# Altium PCB relay_matrix.PcbDoc (part 2 of 5)
Units mm, origin at the board's own origin, x right, y up, seen from the top; angles counter-clockwise.
Board outline 330 x 220 mm, 2 copper layers (Top Layer, Bottom Layer); 560 components, 391 nets, 2127 pads, 727 vias.
Unrouted connection lines stored in the file: 345.
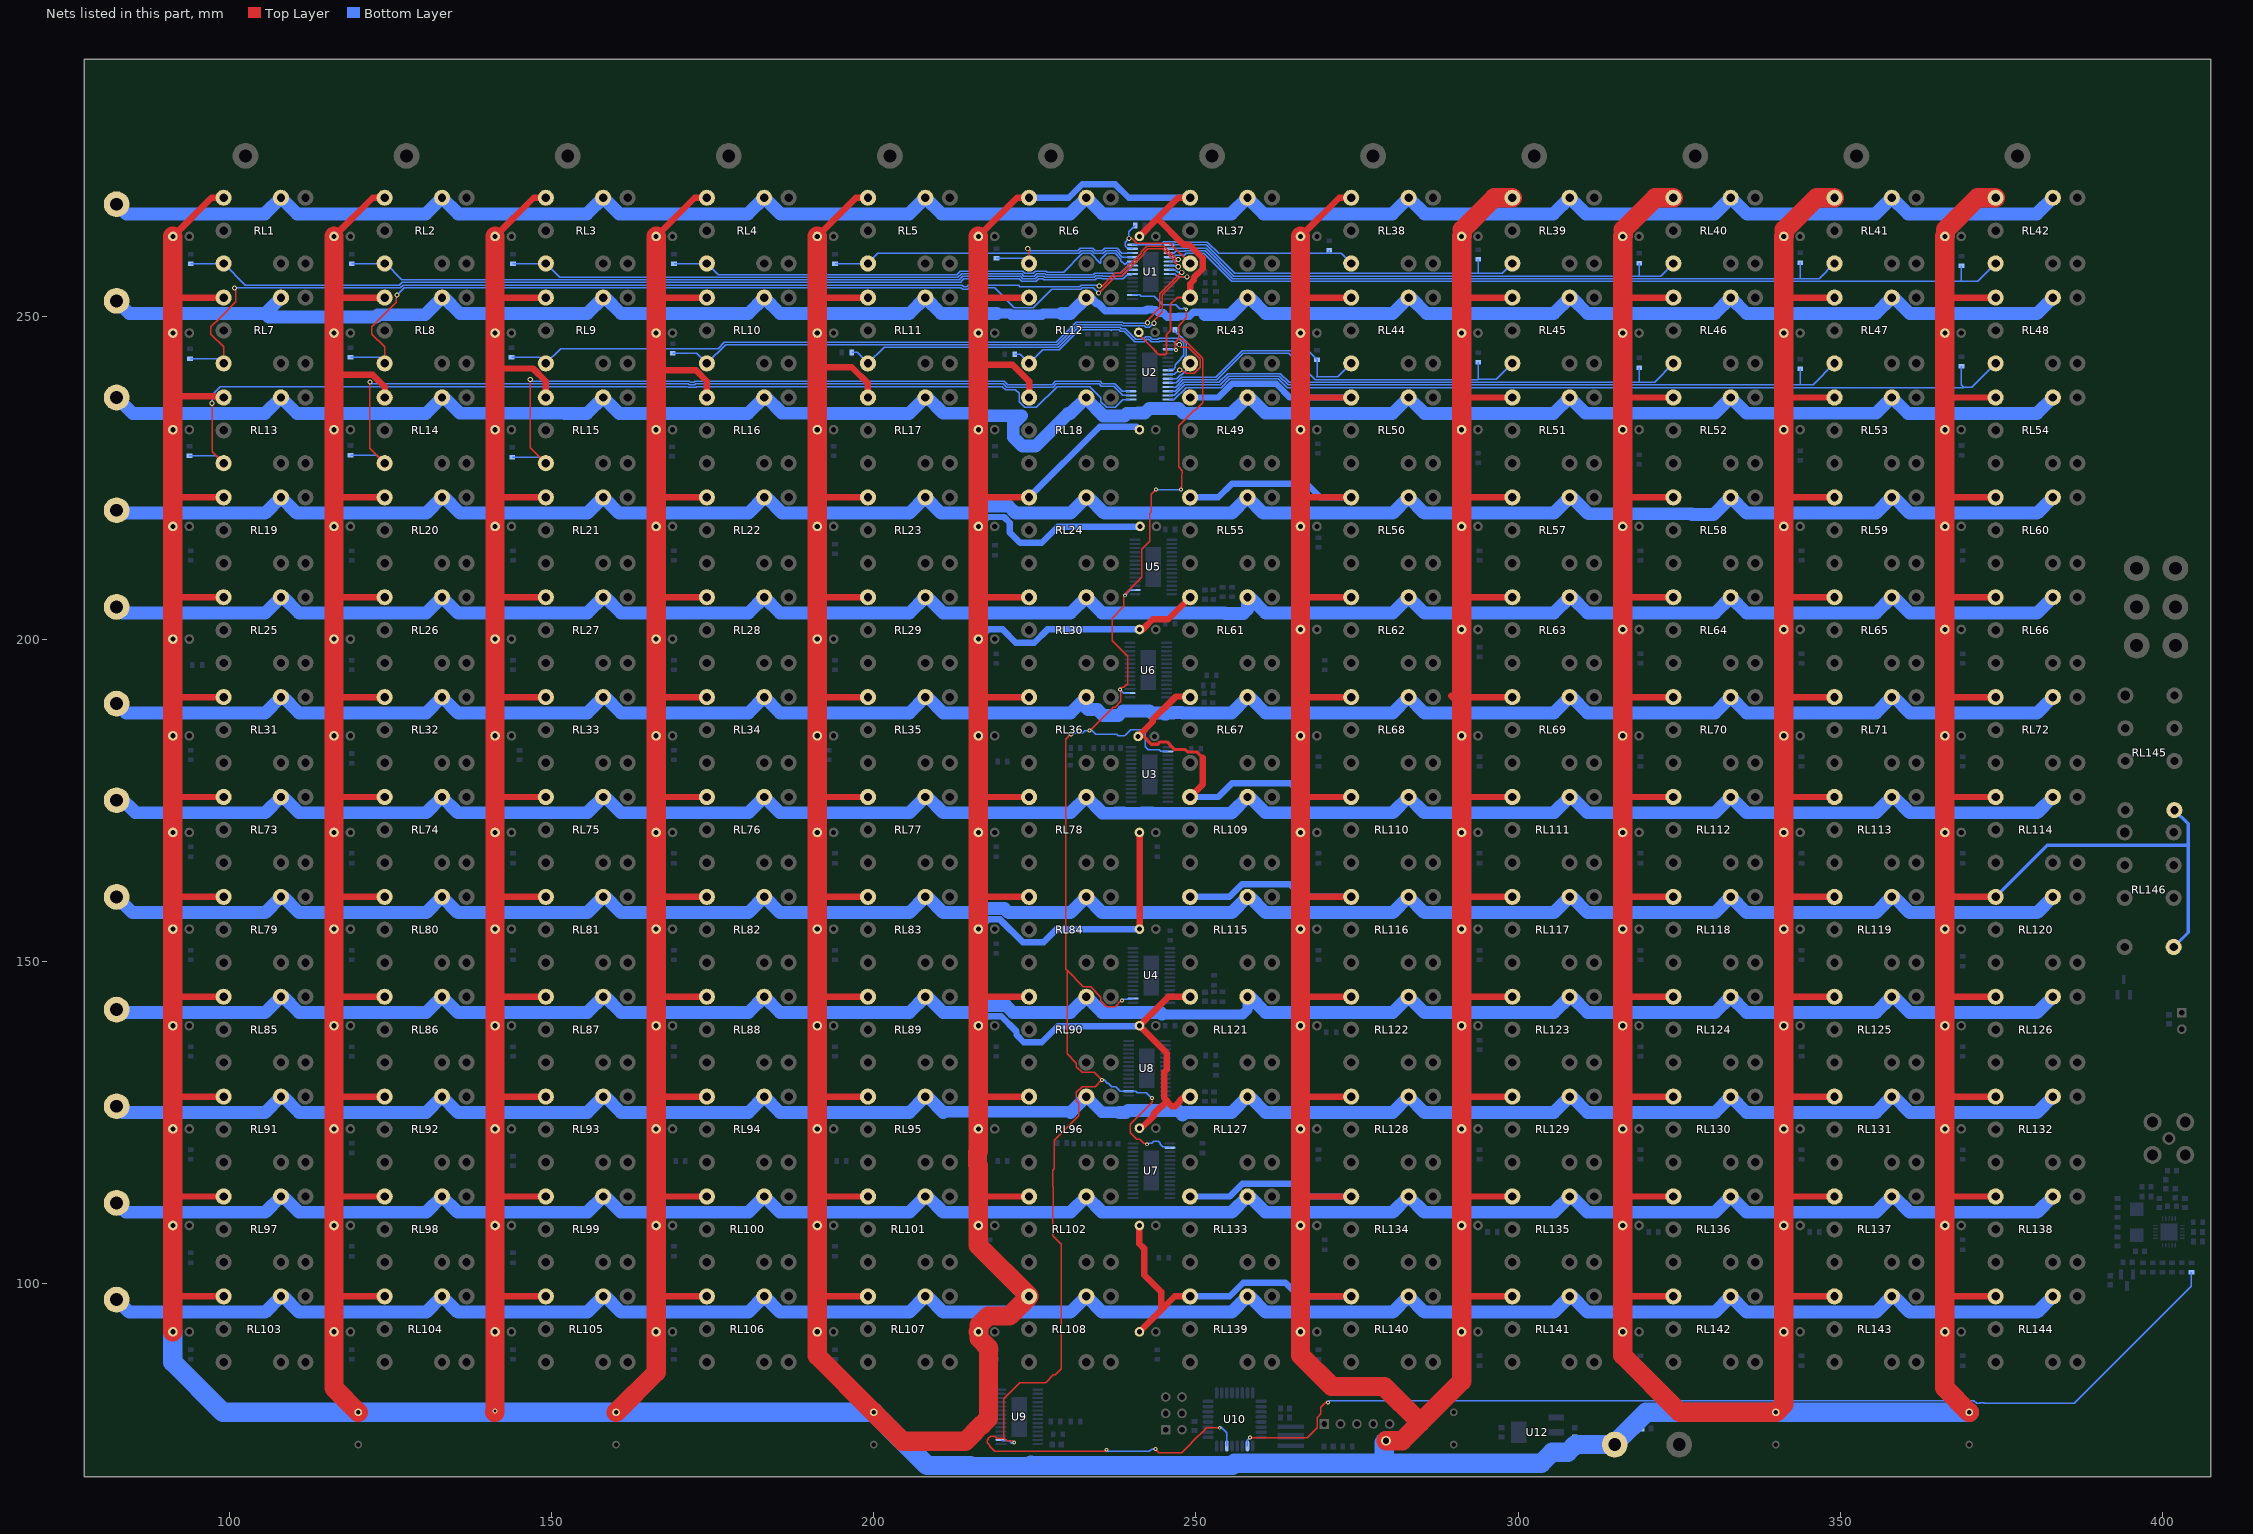
[diagram p2: the nets of this part, all layers, seen from the top]

## Via types
v1: diameter 0.8, hole 0.5, Top Layer to Bottom Layer, tented both sides, 222 vias
v2: diameter 0.8, hole 0.5, Top Layer to Bottom Layer, 209 vias
v3: diameter 0.6, hole 0.3, Top Layer to Bottom Layer, 179 vias
v4: diameter 0.5, hole 0.3, Top Layer to Bottom Layer, 108 vias
v5: diameter 7, hole 5, Top Layer to Bottom Layer, 6 vias
v6: diameter 1.5, hole 1, Top Layer to Bottom Layer, 3 vias

## Nets (pads, with @x,y where several pads share a name; then routed paths per layer and width w, separated by ;. In a path a pad name is that pad's centre, name@x,y a point inside that pad or via, vN(x,y) a via of type N, cw(c..) or ccw(c..) an arc to the next point about the centre after c; other vN are vias at no path point) (continued)
12V: C5.1 C10.1 C12.1 C13.1 C14.1 C15.1 C24.1 D1.1 D2.1 D3.1 D4.1 D5.1 D6.1 D7.1 D8.1 D9.1 D10.1 D11.1 D12.1 D13.1 D14.1 D15.1 D16.1 D17.1 D18.1 D19.1 D20.1 D21.1 D22.1 D23.1 D24.1 D25.1 D26.1 D27.1 D28.1 D29.1 D30.1 D31.1 D32.1 D33.1 D34.1 D35.1 D36.1 D37.1 D38.1 D39.1 D40.1 D41.1 D42.1 D43.1 D44.1 D45.1 D46.1 D47.1 D48.1 D49.1 D50.1 D51.1 D52.1 D53.1 D54.1 D55.1 D56.1 D57.1 D58.1 D59.1 D60.1 D61.1 D62.1 D63.1 D64.1 D65.1 D66.1 D67.1 D68.1 D69.1 D70.1 D71.1 D72.1 D73.1 D74.1 D75.1 D76.1 D77.1 D78.1 D79.1 D80.1 D81.1 D82.1 D83.1 D84.1 D85.1 D86.1 D87.1 D88.1 D89.1 D90.1 D91.1 D92.1 D93.1 D94.1 D95.1 D96.1 D97.1 D98.1 D99.1 D100.1 D101.1 D102.1 D103.1 D104.1 D105.1 D106.1 D107.1 D108.1 D109.1 D110.1 D111.1 D112.1 D113.1 D114.1 D115.1 D116.1 D117.1 D118.1 D119.1 D120.1 D121.1 D122.1 D123.1 D124.1 D125.1 D126.1 D127.1 D128.1 D129.1 D130.1 D131.1 D132.1 D133.1 D134.1 D135.1 D136.1 D137.1 D138.1 D139.1 D140.1 D141.1 D142.1 D143.1 D144.1 J25.1 RL1.1 RL2.1 RL3.1 RL4.1 RL5.1 RL6.1 RL7.1 RL8.1 RL9.1 RL10.1 RL11.1 RL12.1 RL13.1 RL14.1 RL15.1 RL16.1 RL17.1 RL18.1 RL19.1 RL20.1 RL21.1 RL22.1 RL23.1 RL24.1 RL25.1 RL26.1 RL27.1 RL28.1 RL29.1 RL30.1 RL31.1 RL32.1 RL33.1 RL34.1 RL35.1 RL36.1 RL37.1 RL38.1 RL39.1 RL40.1 RL41.1 RL42.1 RL43.1 RL44.1 RL45.1 RL46.1 RL47.1 RL48.1 RL49.1 RL50.1 RL51.1 RL52.1 RL53.1 RL54.1 RL55.1 RL56.1 RL57.1 RL58.1 RL59.1 RL60.1 RL61.1 RL62.1 RL63.1 RL64.1 RL65.1 RL66.1 RL67.1 RL68.1 RL69.1 RL70.1 RL71.1 RL72.1 RL73.1 RL74.1 RL75.1 RL76.1 RL77.1 RL78.1 RL79.1 RL80.1 RL81.1 RL82.1 RL83.1 RL84.1 RL85.1 RL86.1 RL87.1 RL88.1 RL89.1 RL90.1 RL91.1 RL92.1 RL93.1 RL94.1 RL95.1 RL96.1 RL97.1 RL98.1 RL99.1 RL100.1 RL101.1 RL102.1 RL103.1 RL104.1 RL105.1 RL106.1 RL107.1 RL108.1 RL109.1 RL110.1 RL111.1 RL112.1 RL113.1 RL114.1 RL115.1 RL116.1 RL117.1 RL118.1 RL119.1 RL120.1 RL121.1 RL122.1 RL123.1 RL124.1 RL125.1 RL126.1 RL127.1 RL128.1 RL129.1 RL130.1 RL131.1 RL132.1 RL133.1 RL134.1 RL135.1 RL136.1 RL137.1 RL138.1 RL139.1 RL140.1 RL141.1 RL142.1 RL143.1 RL144.1 RL145.1 RL146.1 U12.3 | length 4009.2
  Top Layer w0.3: D43.1@241.13,247.6 241.13,247.35 243.48,245 ; 243.83,244.65 243.48,245 ; RL43.1@249.1,253 247.1,253 246.05,251.95 246.05,247.886 245.45,247.286 245.45,244.35 245.258,244.158 244.258,244.158 243.48,244.937 243.48,245
  Top Layer w0.5: D67.1@241.03,184.9 241.873,184.9 243.073,183.7 244.067,183.7 244.417,184.05 245.516,184.05 245.983,183.583 ; 245.983,183.45 246.116,183.45 246.716,182.85 248.372,182.85 248.721,182.5 250.158,182.5 251.05,181.608
  Top Layer w1: 91.23,97.9 91.33,98 RL103.1@99.1,98 ; 91.23,113.7 91.43,113.5 RL97.1@99.1,113.5 ; 91.23,129 RL91.1@99.1,129 ; 91.23,144 91.73,144.5 RL85.1@99.1,144.5 ; 91.23,160 RL79.1@99.1,160 ; 91.23,175.8 91.53,175.5 RL73.1@99.1,175.5 ; 91.23,191.2 91.43,191 RL31.1@99.1,191 ; 91.23,206.4 91.33,206.5 RL25.1@99.1,206.5 ; 91.23,221.7 91.53,222 RL19.1@99.1,222 ; 91.23,237.3 91.63,237.7 97.755,237.7 97.955,237.5 RL13.1@99.1,237.5 ; 91.23,252.7 91.53,253 RL7.1@99.1,253 ; D1.1@91.23,262.5 97.23,268.5 RL1.1@99.1,268.5 ; 116.23,97.4 116.83,98 RL104.1@124.1,98 ; 116.23,112.7 117.03,113.5 RL98.1@124.1,113.5 ; 116.23,128.8 116.43,129 RL92.1@124.1,129 ; 116.23,144.5 RL86.1@124.1,144.5 ; 116.23,160 RL80.1@124.1,160 ; 116.23,175.2 116.53,175.5 RL74.1@124.1,175.5 ; 116.23,190.9 116.33,191 RL32.1@124.1,191 ; 116.23,205.8 116.93,206.5 RL26.1@124.1,206.5 ; 116.23,222.2 116.43,222 RL20.1@124.1,222 ; 116.23,240.8 116.43,241 122.256,241 124.1,239.156 RL14.1@124.1,237.5 ; 116.23,253 RL8.1@124.1,253 ; D2.1@116.23,262.5 122.23,268.5 RL2.1@124.1,268.5 ; 141.23,98.1 141.33,98 RL105.1@149.1,98 ; 141.23,113.3 141.43,113.5 RL99.1@149.1,113.5 ; 141.23,130.1 142.33,129 RL93.1@149.1,129 ; 141.23,144.5 RL87.1@149.1,144.5 ; 141.23,159.8 141.43,160 RL81.1@149.1,160 ; 141.23,175.1 141.63,175.5 RL75.1@149.1,175.5 ; 141.23,190.8 141.43,191 RL33.1@149.1,191 ; 141.23,205.3 142.43,206.5 RL27.1@149.1,206.5 ; 141.23,221.9 141.33,222 RL21.1@149.1,222 ; 141.23,242 147.1,242 149.1,240 RL15.1@149.1,237.5 ; 141.23,252.8 141.43,253 RL9.1@149.1,253 ; D3.1@141.23,262.5 147.23,268.5 RL3.1@149.1,268.5 ; 166.23,97.3 166.93,98 RL106.1@174.1,98 ; 166.23,113.8 166.53,113.5 RL100.1@174.1,113.5 ; 166.23,129.3 166.53,129 RL94.1@174.1,129 ; 166.23,144.3 166.43,144.5 RL88.1@174.1,144.5 ; 166.23,159.5 166.73,160 RL82.1@174.1,160 ; 166.23,175.2 166.53,175.5 RL76.1@174.1,175.5 ; 166.23,191 RL34.1@174.1,191 ; 166.23,206.8 166.53,206.5 RL28.1@174.1,206.5 ; 166.23,221.7 166.53,222 RL22.1@174.1,222 ; 166.23,241.7 166.251,241.721 172.421,241.721 174.1,240.042 RL16.1@174.1,237.5 ; 166.23,252.8 166.43,253 RL10.1@174.1,253 ; D4.1@166.23,262.5 172.23,268.5 RL4.1@174.1,268.5 ; 191.23,98.1 191.33,98 RL107.1@199.1,98 ; 191.23,113.5 RL101.1@199.1,113.5 ; 191.23,128.8 191.43,129 RL95.1@199.1,129 ; 191.23,144.5 RL89.1@199.1,144.5 ; 191.23,159.8 191.43,160 RL83.1@199.1,160 ; 191.23,175.4 191.33,175.5 RL77.1@199.1,175.5 ; 191.23,191.8 192.03,191 RL35.1@199.1,191 ; 191.23,206.3 191.43,206.5 RL29.1@199.1,206.5 ; 191.23,222.2 191.43,222 RL23.1@199.1,222 ; 191.23,242.2 196.6,242.2 199.1,239.7 RL17.1@199.1,237.5 ; 191.23,252.7 191.53,253 RL11.1@199.1,253 ; D5.1@191.23,262.5 197.23,268.5 RL5.1@199.1,268.5 ; 216.23,113.1 216.63,113.5 RL102.1@224.1,113.5 ; 216.23,128.9 216.33,129 RL96.1@224.1,129 ; 216.23,144.7 216.43,144.5 RL90.1@224.1,144.5 ; 216.23,160 RL84.1@224.1,160 ; 216.23,174.9 216.83,175.5 RL78.1@224.1,175.5 ; 216.23,191.5 216.73,191 RL36.1@224.1,191 ; 216.23,206.5 RL30.1@224.1,206.5 ; 216.23,222.2 216.43,222 RL24.1@224.1,222 ; 216.23,242.5 216.33,242.6 221.542,242.6 224.1,240.042 RL18.1@224.1,237.5 ; 216.23,253.5 216.73,253 RL12.1@224.1,253 ; D6.1@216.23,262.5 222.23,268.5 RL6.1@224.1,268.5 ; D67.1@241.03,184.9 243.3,187.169 243.3,187.528 245.072,189.3 245.116,189.3 246.916,191.1 249,191.1 RL67.1@249.1,191 ; D139.1@241.23,92.5 244.615,95.885 ; D133.1@241.23,109 241.2,108.97 241.2,108.456 241.2,107.544 241.2,106.183 241.95,105.433 241.95,101.35 244.615,98.685 244.615,95.885 ; D127.1@241.23,124 241.442,124 243.486,126.043 243.486,126.371 244.514,127.4 244.614,127.5 244.73,127.5 245.465,128.235 ; D115.1@241.23,155 241.25,155.02 241.25,169.98 D109.1@241.23,170 ; D61.1@241.23,201.5 241.719,201.5 243.319,203.1 245.7,203.1 RL61.1@249.1,206.5 ; D37.1@241.23,262.5 243.965,265.235 ; RL139.1@249.1,98 246.73,98 244.615,95.885 ; RL127.1@249.1,129 248.114,129 247.5,128.386 247.5,128.24 246.76,127.5 246.269,127.5 245.534,128.235 245.465,128.235 ; RL121.1@249.1,144.5 245.73,144.5 D121.1@241.23,140 245.465,135.765 245.465,133.19 245.059,132.784 245.059,128.856 245.465,128.449 245.465,128.235 ; RL109.1@249.1,175.5 251.05,177.45 251.05,181.608 ; RL43.1@249.1,253 249.1,255.168 249.7,255.768 249.7,256.142 251.05,257.492 251.05,259.108 248.958,261.2 248.189,261.2 248.089,261.3 248,261.3 244.065,265.235 243.965,265.235 ; RL37.1@249.1,268.5 247.23,268.5 243.965,265.235 ; 266.23,97.9 266.33,98 RL140.1@274.1,98 ; 266.23,113.3 266.43,113.5 RL134.1@274.1,113.5 ; 266.23,129.1 266.33,129 RL128.1@274.1,129 ; 266.23,144.5 RL122.1@274.1,144.5 ; 266.23,159.6 266.63,160 RL116.1@274.1,160 ; 266.23,176.1 266.83,175.5 RL110.1@274.1,175.5 ; 266.23,190.6 266.63,191 RL68.1@274.1,191 ; 266.23,206.5 RL62.1@274.1,206.5 ; 266.23,222.2 266.43,222 RL56.1@274.1,222 ; 266.23,238.2 266.93,237.5 RL50.1@274.1,237.5 ; 266.23,253 RL44.1@274.1,253 ; D38.1@266.23,262.5 272.23,268.5 RL38.1@274.1,268.5 ; 291.23,97.7 291.53,98 RL141.1@299.1,98 ; 291.23,112.5 292.23,113.5 RL135.1@299.1,113.5 ; 291.23,128.4 291.83,129 RL129.1@299.1,129 ; 291.23,145.4 292.13,144.5 RL123.1@299.1,144.5 ; 291.23,160.4 291.63,160 RL117.1@299.1,160 ; 291.23,175.7 291.43,175.5 RL111.1@299.1,175.5 ; 291.23,190.8 291.03,191 ; 291.23,206.3 291.43,206.5 RL63.1@299.1,206.5 ; 291.23,221.5 291.73,222 RL57.1@299.1,222 ; 291.23,238.1 291.83,237.5 RL51.1@299.1,237.5 ; 291.23,253 RL45.1@299.1,253 ; RL69.1@299.1,191 291.23,191 291.03,191 ; 316.23,98.4 316.63,98 RL142.1@324.1,98 ; 316.23,113.7 316.43,113.5 RL136.1@324.1,113.5 ; 316.23,128.9 316.33,129 RL130.1@324.1,129 ; 316.23,144.6 316.33,144.5 RL124.1@324.1,144.5 ; 316.23,159.6 316.63,160 RL118.1@324.1,160 ; 316.23,175.5 RL112.1@324.1,175.5 ; 316.23,191.4 316.63,191 RL70.1@324.1,191 ; 316.23,206.3 316.43,206.5 RL64.1@324.1,206.5 ; 316.23,221.3 316.93,222 RL58.1@324.1,222 ; 316.23,238.5 317.23,237.5 RL52.1@324.1,237.5 ; 316.23,253.5 316.73,253 RL46.1@324.1,253 ; 341.23,98.4 341.63,98 RL143.1@349.1,98 ; 341.23,113.8 341.53,113.5 RL137.1@349.1,113.5 ; 341.23,129.1 341.33,129 RL131.1@349.1,129 ; 341.23,144.2 341.53,144.5 RL125.1@349.1,144.5 ; 341.23,159.3 341.93,160 RL119.1@349.1,160 ; 341.23,176 341.73,175.5 RL113.1@349.1,175.5 ; 341.23,190.6 341.63,191 RL71.1@349.1,191 ; 341.23,206.8 341.53,206.5 RL65.1@349.1,206.5 ; 341.23,222.3 341.53,222 RL59.1@349.1,222 ; 341.23,238.1 341.83,237.5 RL53.1@349.1,237.5 ; 341.23,253 RL47.1@349.1,253 ; 366.23,97.9 366.33,98 RL144.1@374.1,98 ; 366.23,113.3 366.43,113.5 RL138.1@374.1,113.5 ; 366.23,129.1 366.33,129 RL132.1@374.1,129 ; 366.23,145 366.73,144.5 RL126.1@374.1,144.5 ; 366.23,160.4 366.63,160 RL120.1@374.1,160 ; 366.23,175.7 366.43,175.5 RL114.1@374.1,175.5 ; 366.23,190.6 366.63,191 RL72.1@374.1,191 ; 366.23,207.3 367.03,206.5 RL66.1@374.1,206.5 ; 366.23,222.4 366.63,222 RL60.1@374.1,222 ; 366.23,237.7 366.43,237.5 RL54.1@374.1,237.5 ; 366.23,253.1 366.33,253 RL48.1@374.1,253 ; 291.03,191 289.8,191 289.6,191.2 290.83,191.2 291.03,191
  Top Layer w3: D103.1@91.23,92.5 91.23,97.9 D97.1@91.23,109 91.23,113.7 D91.1@91.23,124 91.23,129 D85.1@91.23,140 91.23,144 D79.1@91.23,155 91.23,160 D73.1@91.23,170 91.23,175.8 D31.1@91.23,185 91.23,191.2 D25.1@91.23,200 91.23,206.4 D19.1@91.23,217.5 91.23,221.7 D13.1@91.23,232.5 91.23,237.3 D7.1@91.23,247.5 91.23,252.7 D1.1@91.23,262.5 ; D2.1@116.23,262.5 116.23,253 D8.1@116.23,247.5 116.23,240.8 D14.1@116.23,232.5 116.23,222.2 D20.1@116.23,217.5 116.23,205.8 D26.1@116.23,200 116.23,190.9 D32.1@116.23,185 116.23,175.2 D74.1@116.23,170 116.23,160 D80.1@116.23,155 116.23,144.5 D86.1@116.23,140 116.23,128.8 D92.1@116.23,124 116.23,112.7 D98.1@116.23,109 116.23,97.4 D104.1@116.23,92.5 116.23,83.77 C10.1@120,80 ; v2@141.2,80 141.23,80.03 D105.1@141.23,92.5 141.23,98.1 D99.1@141.23,109 141.23,113.3 D93.1@141.23,124 141.23,130.1 D87.1@141.23,140 141.23,144.5 D81.1@141.23,155 141.23,159.8 D75.1@141.23,170 141.23,175.1 D33.1@141.23,185 141.23,190.8 D27.1@141.23,200 141.23,205.3 D21.1@141.23,217.5 141.23,221.9 D15.1@141.23,232.5 141.23,242 D9.1@141.23,247.5 141.23,252.8 D3.1@141.23,262.5 ; C12.1@160,80 166.23,86.23 D106.1@166.23,92.5 166.23,97.3 D100.1@166.23,109 166.23,113.8 D94.1@166.23,124 166.23,129.3 D88.1@166.23,140 166.23,144.3 D82.1@166.23,155 166.23,159.5 D76.1@166.23,170 166.23,175.2 D34.1@166.23,185 166.23,191 D28.1@166.23,200 166.23,206.8 D22.1@166.23,217.5 166.23,221.7 D16.1@166.23,232.5 166.23,241.7 D10.1@166.23,247.5 166.23,252.8 D4.1@166.23,262.5 ; 191.23,89.5 191.23,88.77 ; D5.1@191.23,262.5 191.23,252.7 D11.1@191.23,247.5 191.23,242.2 D17.1@191.23,232.5 191.23,222.2 D23.1@191.23,217.5 191.23,206.3 D29.1@191.23,200 191.23,191.8 D35.1@191.23,185 191.23,175.4 D77.1@191.23,170 191.23,159.8 D83.1@191.23,155 191.23,144.5 D89.1@191.23,140 191.23,128.8 D95.1@191.23,124 191.23,113.5 D101.1@191.23,109 191.23,98.1 D107.1@191.23,92.5 191.23,88.77 ; D6.1@216.23,262.5 216.23,253.5 D12.1@216.23,247.5 216.23,242.5 D18.1@216.23,232.5 216.23,222.2 D24.1@216.23,217.5 216.23,206.5 D30.1@216.23,200 216.23,191.5 D36.1@216.23,185 216.23,174.9 D78.1@216.23,170 216.23,160 D84.1@216.23,155 216.23,144.7 D90.1@216.23,140 216.23,128.9 D96.1@216.23,124 216.23,120.5 216.1,120.369 216.1,118.43 216.23,118.299 216.23,113.1 D102.1@216.23,109 216.23,105.916 224.1,98.046 RL108.1@224.1,98 221.05,94.95 217.755,94.95 216.32,93.515 216.32,92.59 D108.1@216.23,92.5 216.32,92.41 216.32,91.485 217.8,90.006 217.8,79.074 216.825,78.1 216.771,78.1 215.6,76.928 215.6,76.874 214.225,75.5 204.5,75.5 C13.1@200,80 191.23,88.77 ; D38.1@266.23,262.5 266.23,253 D44.1@266.23,247.5 266.23,238.2 D50.1@266.23,232.5 266.23,222.2 D56.1@266.23,217.5 266.23,206.5 D62.1@266.23,201.5 266.23,190.6 D68.1@266.23,185 266.23,176.1 D110.1@266.23,170 266.23,159.6 D116.1@266.23,155 266.23,144.5 D122.1@266.23,140 266.23,129.1 D128.1@266.23,124 266.23,113.3 D134.1@266.23,109 266.23,97.9 D140.1@266.23,92.5 266.23,88.87 271.1,84 279.2,84 284.8,78.4 ; v6(279.5,75.6) 282,75.6 284.8,78.4 ; RL39.1@299.1,268.5 296.305,268.5 291.32,263.515 291.32,262.59 D39.1@291.23,262.5 291.23,253 D45.1@291.23,247.5 291.23,238.1 D51.1@291.23,232.5 291.23,221.5 D57.1@291.23,217.5 291.23,206.3 D63.1@291.23,201.5 291.23,191 291.23,190.8 D69.1@291.23,185 291.23,175.7 D111.1@291.23,170 291.23,160.4 D117.1@291.23,155 291.23,145.4 D123.1@291.23,140 291.23,128.4 D129.1@291.23,124 291.23,112.5 D135.1@291.23,109 291.23,97.7 D141.1@291.23,92.5 291.23,84.83 284.8,78.4 ; RL40.1@324.1,268.5 321.305,268.5 316.32,263.515 316.32,262.59 D40.1@316.23,262.5 316.23,253.5 D46.1@316.23,247.5 316.23,238.5 D52.1@316.23,232.5 316.23,221.3 D58.1@316.23,217.5 316.23,206.3 D64.1@316.23,201.5 316.23,191.4 D70.1@316.23,185 316.23,175.5 D112.1@316.23,170 316.23,159.6 D118.1@316.23,155 316.23,144.6 D124.1@316.23,140 316.23,128.9 D130.1@316.23,124 316.23,113.7 D136.1@316.23,109 316.23,98.4 D142.1@316.23,92.5 316.23,88.87 325.1,80 C14.1@340,80 341.23,81.23 D143.1@341.23,92.5 341.23,98.4 D137.1@341.23,109 341.23,113.8 D131.1@341.23,124 341.23,129.1 D125.1@341.23,140 341.23,144.2 D119.1@341.23,155 341.23,159.3 D113.1@341.23,170 341.23,176 D71.1@341.23,185 341.23,190.6 D65.1@341.23,201.5 341.23,206.8 D59.1@341.23,217.5 341.23,222.3 D53.1@341.23,232.5 341.23,238.1 D47.1@341.23,247.5 341.23,253 D41.1@341.23,262.5 341.32,262.59 341.32,263.515 346.305,268.5 RL41.1@349.1,268.5 ; C15.1@370,80 366.23,83.77 D144.1@366.23,92.5 366.23,97.9 D138.1@366.23,109 366.23,113.3 D132.1@366.23,124 366.23,129.1 D126.1@366.23,140 366.23,145 D120.1@366.23,155 366.23,160.4 D114.1@366.23,170 366.23,175.7 D72.1@366.23,185 366.23,190.6 D66.1@366.23,201.5 366.23,207.3 D60.1@366.23,217.5 366.23,222.4 D54.1@366.23,232.5 366.23,237.7 D48.1@366.23,247.5 366.23,253.1 D42.1@366.23,262.5 366.32,262.59 366.32,263.515 371.305,268.5 RL42.1@374.1,268.5
  Bottom Layer w0.5: RL120.1@374.1,160 382.1,168 404,168 ; RL146.1@401.75,152.22 404,154.47 404,168 ; RL145.1@401.863,173.469 404,171.332 404,168
  Bottom Layer w1: D90.1@216.23,140 217.68,141.45 219.8,141.45 222.15,139.1 222.15,138.592 223.292,137.45 226.05,137.45 228.536,139.936 241.166,139.936 D121.1@241.23,140 ; D84.1@216.23,155 217.73,156.5 219.6,156.5 223.15,152.95 226.35,152.95 228.4,155 D115.1@241.23,155 ; D30.1@216.23,200 217.73,201.5 220,201.5 222.05,199.45 224.908,199.45 226.958,201.5 D61.1@241.23,201.5 ; D24.1@216.23,217.5 217.68,218.95 220.22,218.95 221.1,218.07 221.1,216.55 222.7,214.95 226.05,214.95 228.536,217.436 241.266,217.436 D55.1@241.33,217.5 ; RL24.1@224.1,222 235.05,232.95 240.78,232.95 D49.1@241.23,232.5 ; RL6.1@224.1,268.5 230.242,268.5 232.356,270.614 237.443,270.614 239.558,268.5 RL37.1@249.1,268.5 ; D67.1@241.03,184.9 241.23,185.1 D67.1@241.3,185.1 ; RL139.1@249.1,98 255.242,98 257.356,100.114 263.886,100.114 266,98 RL140.1@274.1,98 ; RL133.1@249.1,113.5 255.242,113.5 257.192,115.45 265.05,115.45 267,113.5 RL134.1@274.1,113.5 ; RL115.1@249.1,160 255.2,160 257.15,161.95 264.55,161.95 266.5,160 RL116.1@274.1,160 ; RL109.1@249.1,175.5 253.482,175.5 255.596,177.614 264.686,177.614 266.8,175.5 RL110.1@274.1,175.5 ; RL55.1@249.1,222 253.482,222 255.596,224.114 267.186,224.114 269.3,222 RL56.1@274.1,222 ; RL49.1@249.1,237.5 253.482,237.5 255.596,239.614 262.443,239.614 264.558,237.5 RL50.1@274.1,237.5
  Bottom Layer w2.8: 215,71.75 215.1,71.65 224.25,71.65 224.4,71.8
  Bottom Layer w3: D103.1@91.23,92.5 91.23,87.77 99,80 C10.1@120,80 C12.1@160,80 C13.1@200,80 208.25,71.75 215,71.75 ; 224.4,71.8 224.45,71.75 255.65,71.75 256,72.1 279.2,72.1 ; v6(279.5,75.6) 279.2,75.3 279.2,72.1 ; C15.1@370,80 C14.1@340,80 319.846,80 315,75.154 J25.1@315,75 308.9,75 307.7,73.8 305.3,73.8 303.6,72.1 279.2,72.1
  other v2: 141.23,80.2
AUDIO_0: J7.1 RL1.7 RL2.7 RL3.7 RL4.7 RL5.7 RL6.7 RL37.7 RL38.7 RL39.7 RL40.7 RL41.7 RL42.7 | length 324.9
  Bottom Layer w2: J7.1@82.5,267.5 84,266 105.5,266 RL1.7@108,268.5 110.5,266 130.5,266 RL2.7@133,268.5 135.5,266 155.5,266 RL3.7@158,268.5 160.5,266 180.5,266 RL4.7@183,268.5 185.5,266 205.5,266 RL5.7@208,268.5 210.5,266 230.5,266 RL6.7@233,268.5 235.5,266 255.5,266 RL37.7@258,268.5 260.5,266 280.5,266 RL38.7@283,268.5 285.5,266 305.5,266 RL39.7@308,268.5 310.5,266 330.5,266 RL40.7@333,268.5 335.5,266 355.5,266 RL41.7@358,268.5 360.5,266 380.5,266 RL42.7@383,268.5
AUDIO_1: J8.1 RL7.7 RL8.7 RL9.7 RL10.7 RL11.7 RL12.7 RL43.7 RL44.7 RL45.7 RL46.7 RL47.7 RL48.7 | length 327.7
  Bottom Layer w1.2: 234.589,252.1 234.801,252.1 235.951,250.95 242.267,250.95 242.267,251.099 242.417,251.099 242.459,251.141 243.121,251.141 243.163,251.099 243.775,251.099 244.274,250.6 244.663,250.6 ; 244.663,250.6 244.955,250.6 245.555,249.999 247.255,249.999 247.355,250.099 248.955,250.099 249.606,250.75 251,250.75 251.4,250.35
  Bottom Layer w1.3: RL12.7@233.689,253 234.589,252.1
  Bottom Layer w1.5: RL12.7@233,253 RL12.7@233.689,253
  Bottom Layer w1.6: 219.1,250.55 221.144,250.55 221.344,250.35 226.106,250.35 226.306,250.55 229.1,250.55
  Bottom Layer w2: J8.1@82.5,252.5 84.45,250.55 105.55,250.55 ; RL7.7@108,253 105.55,250.55 ; 219.1,250.55 210.45,250.55 RL11.7@208,253 205.55,250.55 185.45,250.55 RL10.7@183,253 180.55,250.55 160.785,250.55 158.335,253 RL9.7@158,253 155.55,250.55 135.785,250.55 133.335,253 RL8.7@133,253 130.35,250.35 123.085,250.35 122.735,250 106.1,250 105.55,250.55 ; 229.1,250.55 230.55,250.55 RL12.7@233,253 ; 251.4,250.35 255.35,250.35 RL43.7@258,253 258.335,253 260.785,250.55 280.55,250.55 RL44.7@283,253 283.335,253 285.785,250.55 305.55,250.55 RL45.7@308,253 308.335,253 310.785,250.55 330.55,250.55 RL46.7@333,253 335.45,250.55 355.55,250.55 RL47.7@358,253 358.335,253 360.785,250.55 380.55,250.55 RL48.7@383,253
AUDIO_2: J9.1 RL13.7 RL14.7 RL15.7 RL16.7 RL17.7 RL18.7 RL49.7 RL50.7 RL51.7 RL52.7 RL53.7 RL54.7 | length 334.2
  Bottom Layer w2: J9.1@82.5,237.5 85,235 105.5,235 RL13.7@108,237.5 110.5,235 130.5,235 RL14.7@133,237.5 133.335,237.5 135.785,235.05 151.95,235.05 152,235 155.5,235 RL15.7@158,237.5 160.5,235 180.5,235 RL16.7@183,237.5 183.335,237.5 185.785,235.05 189.95,235.05 190,235 205.5,235 RL17.7@208,237.5 208.335,237.5 210.785,235.05 215.95,235.05 216.333,234.667 222.902,234.667 221.65,233.415 221.65,231.385 223.085,229.95 225.115,229.95 230.165,235 230.5,235 RL18.7@233,237.5 233,237.269 235.619,234.65 238.888,234.65 239.288,235.05 240.95,235.05 241,235.1 242.063,235.1 242.763,235.8 247.335,235.8 248.085,235.05 249.05,235.05 249.1,235 255.5,235 RL49.7@258,237.5 258.335,237.5 260.785,235.05 264.95,235.05 265,235 280.5,235 RL50.7@283,237.5 285.5,235 305.5,235 RL51.7@308,237.5 310.45,235.05 330.55,235.05 RL52.7@333,237.5 335.45,235.05 355.55,235.05 RL53.7@358,237.5 360.5,235 380.5,235 RL54.7@383,237.5
AUDIO_3: J10.1 RL19.7 RL20.7 RL21.7 RL22.7 RL23.7 RL24.7 RL55.7 RL56.7 RL57.7 RL58.7 RL59.7 RL60.7 | length 325.1
  Bottom Layer w2: J10.1@82.5,220 82.95,219.55 105.55,219.55 RL19.7@108,222 110.45,219.55 130.55,219.55 RL20.7@133,222 133.335,222 135.785,219.55 155.55,219.55 RL21.7@158,222 160.45,219.55 180.55,219.55 RL22.7@183,222 183.335,222 185.785,219.55 205.55,219.55 RL23.7@208,222 210.45,219.55 215.876,219.55 216.976,220.65 220.924,220.65 222.024,219.55 230.55,219.55 RL24.7@233,222 233.335,222 235.785,219.55 255.55,219.55 RL55.7@258,222 260.45,219.55 280.55,219.55 RL56.7@283,222 285.45,219.55 305.55,219.55 RL57.7@308,222 308.335,222 310.885,219.45 326.9,219.45 327,219.35 330.35,219.35 RL58.7@333,222 335.45,219.55 355.55,219.55 RL59.7@358,222 358.335,222 360.785,219.55 380.55,219.55 RL60.7@383,222
AUDIO_4: J11.1 RL25.7 RL26.7 RL27.7 RL28.7 RL29.7 RL30.7 RL61.7 RL62.7 RL63.7 RL64.7 RL65.7 RL66.7 | length 323.4
  Bottom Layer w2: J11.1@82.5,205 83.45,204.05 105.55,204.05 RL25.7@108,206.5 ; RL25.7@108.335,206.5 110.785,204.05 130.55,204.05 RL26.7@133,206.5 135.45,204.05 155.55,204.05 RL27.7@158,206.5 ; RL27.7@158.335,206.5 160.785,204.05 180.55,204.05 RL28.7@183,206.5 185.45,204.05 205.55,204.05 RL29.7@208,206.5 ; RL29.7@208.335,206.5 210.785,204.05 230.55,204.05 RL30.7@233,206.5 235.45,204.05 254.487,204.05 254.538,204 257.4,204 258,204.6 RL61.7@258,206.5 ; RL61.7@258.335,206.5 260.785,204.05 280.55,204.05 RL62.7@283,206.5 285.45,204.05 305.55,204.05 RL63.7@308,206.5 ; RL63.7@308.335,206.5 310.785,204.05 330.55,204.05 RL64.7@333,206.5 335.45,204.05 355.55,204.05 RL65.7@358,206.5 ; RL65.7@358.335,206.5 360.785,204.05 380.55,204.05 RL66.7@383,206.5
AUDIO_5: J12.1 RL31.7 RL32.7 RL33.7 RL34.7 RL35.7 RL36.7 RL67.7 RL68.7 RL69.7 RL70.7 RL71.7 RL72.7 | length 324.2
  Bottom Layer w2: J12.1@82.5,190 83.95,188.55 105.55,188.55 RL31.7@108,191 ; RL31.7@108.335,191 110.785,188.55 130.55,188.55 RL32.7@133,191 135.45,188.55 155.55,188.55 RL33.7@158,191 ; RL33.7@158.335,191 160.785,188.55 180.55,188.55 RL34.7@183,191 185.45,188.55 205.55,188.55 RL35.7@208,191 ; RL35.7@208.335,191 210.785,188.55 230.55,188.55 RL36.7@233,191 233,189.3 233.25,189.05 234.72,189.05 235.619,188.15 237.98,188.15 238.68,188.85 242.783,188.85 243.083,188.55 244.94,188.55 245.091,188.4 245.387,188.4 245.537,188.55 246.487,188.55 246.537,188.6 247.862,188.6 247.912,188.55 255.55,188.55 RL67.7@258,191 ; RL67.7@258.335,191 260.785,188.55 280.55,188.55 RL68.7@283,191 285.45,188.55 305.55,188.55 RL69.7@308,191 ; RL69.7@308.335,191 310.785,188.55 330.55,188.55 RL70.7@333,191 335.45,188.55 355.55,188.55 RL71.7@358,191 ; RL71.7@358.335,191 360.785,188.55 380.55,188.55 RL72.7@383,191
AUDIO_6: J19.1 RL73.7 RL74.7 RL75.7 RL76.7 RL77.7 RL78.7 RL109.7 RL110.7 RL111.7 RL112.7 RL113.7 RL114.7 | length 322.4
  Bottom Layer w2: J19.1@83,175.5 85.45,173.05 105.55,173.05 RL73.7@108,175.5 ; RL73.7@108.335,175.5 110.785,173.05 130.55,173.05 RL74.7@133,175.5 135.45,173.05 155.55,173.05 RL75.7@158,175.5 ; RL75.7@158.335,175.5 160.785,173.05 180.55,173.05 RL76.7@183,175.5 185.45,173.05 205.55,173.05 RL77.7@208,175.5 ; RL77.7@208.335,175.5 210.785,173.05 230.55,173.05 RL78.7@233,175.5 235.45,173.05 235.516,172.984 237.521,172.984 237.537,173 238.862,173 238.878,172.984 241.621,172.984 241.637,173 243.163,173 243.179,172.984 255.484,172.984 255.55,173.05 RL109.7@258,175.5 ; RL109.7@258.335,175.5 260.785,173.05 280.55,173.05 RL110.7@283,175.5 285.45,173.05 305.55,173.05 RL111.7@308,175.5 ; RL111.7@308.335,175.5 310.785,173.05 330.55,173.05 RL112.7@333,175.5 335.45,173.05 355.55,173.05 RL113.7@358,175.5 ; RL113.7@358.335,175.5 360.785,173.05 380.55,173.05 RL114.7@383,175.5
AUDIO_7: J20.1 RL79.7 RL80.7 RL81.7 RL82.7 RL83.7 RL84.7 RL115.7 RL116.7 RL117.7 RL118.7 RL119.7 RL120.7 | length 323.4
  Bottom Layer w2: J20.1@82.5,160 84.95,157.55 105.55,157.55 RL79.7@108,160 ; RL79.7@108.335,160 110.785,157.55 130.55,157.55 RL80.7@133,160 135.45,157.55 155.55,157.55 RL81.7@158,160 ; RL81.7@158.335,160 160.785,157.55 180.55,157.55 RL82.7@183,160 185.45,157.55 205.55,157.55 RL83.7@208,160 ; RL83.7@208.335,160 210.785,157.55 216.376,157.55 217.026,158.2 220.304,158.2 220.954,157.55 230.55,157.55 RL84.7@233,160 235.45,157.55 255.55,157.55 RL115.7@258,160 ; RL115.7@258.335,160 260.785,157.55 280.55,157.55 RL116.7@283,160 285.45,157.55 305.55,157.55 RL117.7@308,160 ; RL117.7@308.335,160 310.785,157.55 330.55,157.55 RL118.7@333,160 335.45,157.55 355.55,157.55 RL119.7@358,160 ; RL119.7@358.335,160 360.785,157.55 380.55,157.55 RL120.7@383,160
AUDIO_8: J21.1 RL85.7 RL86.7 RL87.7 RL88.7 RL89.7 RL90.7 RL121.7 RL122.7 RL123.7 RL124.7 RL125.7 RL126.7 | length 324.3
  Bottom Layer w1.6: 244.8,141.75 248.127,141.75 257.25,141.75 258,142.5 RL121.7@258,144.5
  Bottom Layer w1.8: 244.7,141.85 244.8,141.75
  Bottom Layer w2: J21.1@82.5,142.5 82.95,142.05 105.55,142.05 RL85.7@108,144.5 ; RL85.7@108.335,144.5 110.785,142.05 130.55,142.05 RL86.7@133,144.5 135.45,142.05 155.55,142.05 RL87.7@158,144.5 ; RL87.7@158.335,144.5 160.785,142.05 180.55,142.05 RL88.7@183,144.5 185.45,142.05 205.55,142.05 RL89.7@208,144.5 ; RL89.7@208.335,144.5 210.785,142.05 215.876,142.05 216.976,143.15 220.504,143.15 221.604,142.05 230.55,142.05 RL90.7@233,144.5 235.45,142.05 244.5,142.05 244.7,141.85 ; RL121.7@258.335,144.5 260.785,142.05 280.55,142.05 RL122.7@283,144.5 285.45,142.05 305.55,142.05 RL123.7@308,144.5 ; RL123.7@308.335,144.5 310.785,142.05 330.55,142.05 RL124.7@333,144.5 335.45,142.05 355.55,142.05 RL125.7@358,144.5 ; RL125.7@358.335,144.5 360.785,142.05 380.55,142.05 RL126.7@383,144.5
AUDIO_9: J22.1 RL91.7 RL92.7 RL93.7 RL94.7 RL95.7 RL96.7 RL127.7 RL128.7 RL129.7 RL130.7 RL131.7 RL132.7 | length 322.9
  Bottom Layer w1.8: 210.785,126.55 210.885,126.65 230.45,126.65 230.55,126.55 ; RL96.7@233,129 233.011,129 235.411,126.6 238.028,126.6 238.078,126.55
  Bottom Layer w2: J22.1@82.5,127.5 83.45,126.55 105.55,126.55 RL91.7@108,129 ; RL91.7@108.335,129 110.785,126.55 130.55,126.55 RL92.7@133,129 135.45,126.55 155.55,126.55 RL93.7@158,129 ; RL93.7@158.335,129 160.785,126.55 180.55,126.55 RL94.7@183,129 185.45,126.55 205.55,126.55 RL95.7@208,129 ; RL95.7@208.335,129 210.785,126.55 ; 230.55,126.55 RL96.7@233,129 ; 238.078,126.55 239.176,126.55 239.476,126.85 247.219,126.85 247.902,126.167 248.285,126.55 251,126.55 255.55,126.55 RL127.7@258,129 ; RL127.7@258.335,129 260.785,126.55 280.55,126.55 RL128.7@283,129 285.45,126.55 305.55,126.55 RL129.7@308,129 ; RL129.7@308.335,129 310.785,126.55 330.55,126.55 RL130.7@333,129 335.45,126.55 355.55,126.55 RL131.7@358,129 ; RL131.7@358.335,129 360.785,126.55 380.55,126.55 RL132.7@383,129
AUDIO_10: J23.1 RL97.7 RL98.7 RL99.7 RL100.7 RL101.7 RL102.7 RL133.7 RL134.7 RL135.7 RL136.7 RL137.7 RL138.7 | length 322.4
  Bottom Layer w2: J23.1@82.5,112.5 83.95,111.05 105.55,111.05 RL97.7@108,113.5 ; RL97.7@108.335,113.5 110.785,111.05 130.55,111.05 RL98.7@133,113.5 135.45,111.05 155.55,111.05 RL99.7@158,113.5 ; RL99.7@158.335,113.5 160.785,111.05 180.55,111.05 RL100.7@183,113.5 185.45,111.05 205.55,111.05 RL101.7@208,113.5 ; RL101.7@208.335,113.5 210.785,111.05 230.55,111.05 RL102.7@233,113.5 235.45,111.05 255.55,111.05 RL133.7@258,113.5 ; RL133.7@258.335,113.5 260.785,111.05 280.55,111.05 RL134.7@283,113.5 285.45,111.05 305.55,111.05 RL135.7@308,113.5 ; RL135.7@308.335,113.5 310.785,111.05 330.55,111.05 RL136.7@333,113.5 335.45,111.05 355.55,111.05 RL137.7@358,113.5 ; RL137.7@358.335,113.5 360.785,111.05 380.55,111.05 RL138.7@383,113.5
AUDIO_11: J24.1 RL103.7 RL104.7 RL105.7 RL106.7 RL107.7 RL108.7 RL139.7 RL140.7 RL141.7 RL142.7 RL143.7 RL144.7 | length 322.6
  Bottom Layer w2: J24.1@82.5,97.5 84.45,95.55 105.55,95.55 RL103.7@108,98 ; RL103.7@108.335,98 110.785,95.55 130.55,95.55 RL104.7@133,98 135.45,95.55 155.55,95.55 RL105.7@158,98 ; RL105.7@158.335,98 160.785,95.55 180.55,95.55 RL106.7@183,98 185.45,95.55 205.55,95.55 RL107.7@208,98 ; RL107.7@208.335,98 210.785,95.55 230.55,95.55 RL108.7@233,98 235.45,95.55 255.55,95.55 RL139.7@258,98 ; RL139.7@258.335,98 260.785,95.55 280.55,95.55 RL140.7@283,98 285.45,95.55 305.55,95.55 RL141.7@308,98 ; RL141.7@308.335,98 310.785,95.55 330.55,95.55 RL142.7@333,98 335.45,95.55 355.55,95.55 RL143.7@358,98 ; RL143.7@358.335,98 360.785,95.55 380.55,95.55 RL144.7@383,98
BLANK: U1.2 U2.2 U3.2 U4.2 U5.2 U6.2 U7.2 U8.2 U9.2 U10.14 | length 327.8
  Top Layer w0.2: v3(221.8,75.3) 221.495,75.605 220.651,75.605 220.256,76 ; v2(230.6,185.3) 229.8,184.5 229.8,148.786 230,148.586 ; v3(233.5,185.8) 237.15,189.45 237.442,189.45 238.35,190.358 238.35,192.05 v3(238.2,192.2) 238.5,192.5 238.814,192.5 239.4,193.086 239.4,197.32 236.98,199.74 236.98,203.26 238.8,205.08 238.8,206.8 241.6,209.6 241.6,213.946 242.82,215.166 242.82,219.489 243.1,219.769 243.1,222.5 v3(243.8,223.2) ; v3@236.1,74 v3(236.1,74.2) ; v3@236.1,74 218.751,74 217.99,74.762 217.99,74.907 217.6,75.297 217.6,75.649 217.8,75.848 217.8,75.948 218.151,76.3 218.749,76.3 219.049,76 220.256,76 ; v3(238.55,143.918) 238.41,143.918 237.442,142.95 236.158,142.95 235.25,143.858 235.25,144.442 233.642,146.05 232.536,146.05 230,148.586 ; v3@238.8,206.8 v3(239,206.8) ; v3(242.4,121.6) 242.3,121.6 242.1,121.8 241.9,121.8 241.3,122.4 240.779,122.4 239.78,123.399 239.78,124.701 243.2,128.12 v3(243.2,128.8) ; v3@243.5,74.4 244.2,73.7 247.797,73.7 249.3,75.203 249.3,75.249 251.651,77.6 v3(253.699,77.6) ; v3(246.9,244.9) 246.9,245.21 246.7,245.41 246.7,245.989 247.3,246.59 ; v3(247.7,223.2) 247.7,223.623 247.777,223.7 247.777,225.529 247.9,225.651 247.9,226.149 247.3,226.749 247.3,233.146 249.704,235.55 249.908,235.55 251.05,236.692 251.05,243.608 248.558,246.1 248.354,246.1 247.864,246.59 247.3,246.59 ; v3(248.5,251.199) 248.5,249.845 247.3,248.646 247.3,246.59 ; 220.256,76 220.2,76.056 220.2,82.131 222.669,84.6 226.666,84.6 227.866,85.8 228.149,85.8 229.1,86.751 229.1,106.1 227.8,107.4 227.8,111.897 227.85,111.947 227.85,115.053 227.8,115.103 227.8,117.581 228,117.781 228,122.243 231.8,126.043 231.8,128.008 231.45,128.358 231.45,129.642 232.358,130.55 234.35,130.55 v3(235.4,131.6) 234.25,132.75 232.358,132.75 231.45,133.658 231.45,134.2 230,135.65 230,148.586
  Bottom Layer w0.2: U9.2@219.75,75.725 219.875,75.6 221.01,75.6 221.41,75.2 221.7,75.2 v3(221.8,75.3) ; v2(230.6,185.3) 230.7,185.4 232.351,185.4 232.751,185.8 v3(233.5,185.8) ; v3@233.684,185.984 234.418,185.25 237.721,185.25 237.971,185 238.982,185 239.1,185.118 239.1,185.168 239.182,185.25 239.882,185.95 241.581,185.95 242.1,185.431 242.1,184.885 242.1,183.3 242.6,182.8 244.29,182.8 244.515,182.575 U3.2@245.65,182.575 ; v3(235.4,131.6) 235.751,131.6 236.251,131.1 236.4,131.1 236.95,130.55 237.528,130.55 238.253,129.825 U8.2@239.55,129.825 240.685,129.825 240.91,129.6 242.299,129.6 243.2,128.7 v3(243.2,128.8) ; v3(236.1,74.2) 236.349,73.95 242.764,73.95 243.114,74.3 v3(243.7,74.3) v3@243.7,74.1 ; v3(238.2,192.2) 238.775,191.625 U6.2@239.75,191.625 ; v3@238.7,144.1 240.125,144.1 U4.2@240.25,144.225 ; v3@238.8,206.6 239.825,207.625 U5.2@240.55,207.625 ; v3@238.8,206.8 v3(239,206.8) ; U1.2@240.15,253.425 241.285,253.425 241.51,253.2 243.513,253.2 244.813,251.9 246.877,251.9 247.527,251.25 248.024,251.25 248.174,251.4 v3@248.3,251.4 ; v3(242.4,121.6) 242.6,121.8 243.18,121.8 243.48,122.1 244.148,122.1 244.5,121.748 244.5,121.6 244.85,121.25 245.775,121.25 U7.2@245.95,121.075 ; v3(243.8,223.2) v3(247.7,223.2) ; U2.2@245.65,244.975 246.875,244.975 246.9,245 v3(246.9,244.9) ; v3(253.699,77.6) 253.8,77.7 253.9,77.7 254.8,76.8 U10.14@254.8,74.775
CE: R164.2 U10.10 | length 162.1
  Top Layer w0.2: v3(258.399,76.1) 258.415,76.084 267.293,76.084 268.816,77.607 268.816,79.187 269.4,79.772 269.4,80.8 270,81.4 270.049,81.4 270.4,81.751 270.4,81.8 270.4,81.6 v3(270.5,81.5)
  Bottom Layer w0.2: U10.10@258,74.775 258,75.7 v3(258.399,76.1) 258.499,76 258.6,76 v3@258.55,75.95 ; v3(270.5,81.5) 270.8,81.8 370.746,81.8 371.146,81.4 371.651,81.4 371.751,81.5 372.248,81.5 372.348,81.4 386.294,81.4 404.5,99.606 R164.2@404.5,101.75
CONTROL_0: R1.1 RL1.3 U1.7 | length 148.8
  Bottom Layer w0.2: R1.1@94,258.25 99.05,258.25 RL1.3@99.1,258.3 102.45,254.95 126.384,254.95 126.784,255.35 213.484,255.35 213.6,255.466 213.6,255.549 213.951,255.9 222.611,255.9 222.961,255.55 225.239,255.55 225.589,255.9 226.249,255.9 226.399,255.75 234.384,255.75 234.634,256 235.355,256 235.405,255.95 238.728,255.95 239.278,256.5 239.975,256.5 U1.7@240.15,256.675
CONTROL_1: R2.1 RL2.3 U1.8 | length 123.3
  Bottom Layer w0.2: R2.1@119,258.25 124.05,258.25 RL2.3@124.1,258.3 124.231,258.3 126.781,255.75 213.236,255.75 213.786,256.3 222.777,256.3 223.127,255.95 225.073,255.95 225.423,256.3 226.414,256.3 226.564,256.15 234.219,256.15 234.469,256.4 235.52,256.4 235.57,256.35 238.478,256.35 239.453,257.325 U1.8@240.15,257.325
CONTROL_2: R3.1 RL3.3 U1.9 | length 98.3
  Bottom Layer w0.2: R3.1@144,258.25 149.05,258.25 RL3.3@149.1,258.3 151.25,256.15 213.07,256.15 213.62,256.7 222.942,256.7 223.292,256.35 224.908,256.35 225.258,256.7 226.58,256.7 226.73,256.55 234.053,256.55 234.303,256.8 235.686,256.8 235.736,256.75 238.228,256.75 239.278,257.8 239.975,257.8 U1.9@240.15,257.975
CONTROL_3: R4.1 RL4.3 U1.10 | length 76.4
  Bottom Layer w0.2: R4.1@169,258.25 174.05,258.25 RL4.3@174.1,258.3 175.85,256.55 212.904,256.55 213.454,257.1 223.108,257.1 223.458,256.75 224.742,256.75 225.092,257.1 226.746,257.1 226.896,256.95 229.458,256.95 232.358,259.85 233.642,259.85 235.134,258.358 235.25,258.358 235.25,258.942 236.158,259.85 237.442,259.85 238.35,258.942 238.35,258.737 239,258.087 239,258.172 239.278,258.45 239.975,258.45 U1.10@240.15,258.625
CONTROL_4: R5.1 RL5.3 U1.11 | length 47.7
  Bottom Layer w0.2: R5.1@194,258.25 199.05,258.25 RL5.3@199.1,258.3 200.65,259.85 231.792,259.85 232.192,260.25 233.808,260.25 234.208,259.85 235.592,259.85 235.992,260.25 237.608,260.25 238.583,259.275 U1.11@240.15,259.275
CONTROL_5: R6.1 RL6.3 U1.12 | length 25
  Top Layer w0.2: v2(223.9,260.599) 224.1,260.399 RL6.3@224.1,258.3
  Bottom Layer w0.2: R6.1@219.046,259.1 223.3,259.1 RL6.3@224.1,258.3 ; v2(223.9,260.599) 224.249,260.25 231.627,260.25 232.027,260.65 233.973,260.65 234.373,260.25 235.427,260.25 235.827,260.65 237.773,260.65 238.498,259.925 U1.12@240.15,259.925
CONTROL_6: R37.1 RL37.3 U1.13 | length 16.3
  Top Layer w0.2: v2(239.6,262.2) 240.045,262.2 240.795,261.45 245.95,261.45 RL37.3@249.1,258.3
  Bottom Layer w0.2: U1.13@240.15,260.575 239.975,260.75 239.278,260.75 239,261.028 239,261.6 v2(239.6,262.2) 239.6,263.25 R37.1@240.55,264.2
CONTROL_7: R38.1 RL38.3 U1.14 | length 36.1
  Bottom Layer w0.2: U1.14@240.15,261.225 244.503,261.225 244.978,261.7 246.722,261.7 246.797,261.625 251.738,261.625 253.513,259.85 270.7,259.85 ; R38.1@270.7,260.35 270.7,259.85 ; RL38.3@274.1,258.3 272.55,259.85 270.7,259.85
CONTROL_8: R39.1 RL39.3 U1.15 | length 58
  Bottom Layer w0.2: U1.15@245.85,261.225 251.572,261.225 256.047,256.75 293.7,256.75 ; R39.1@293.8,258.95 293.8,256.85 293.7,256.75 ; RL39.3@299.1,258.3 297.55,256.75 293.7,256.75
CONTROL_9: R40.1 RL40.3 U1.16 | length 82.9
  Bottom Layer w0.2: U1.16@245.85,260.575 245.925,260.65 251.581,260.65 255.881,256.35 318.8,256.35 ; R40.1@318.8,258.35 318.8,256.35 ; RL40.3@324.1,258.3 322.15,256.35 318.8,256.35
CONTROL_10: R41.1 RL41.3 U1.17 | length 108.6
  Bottom Layer w0.2: U1.17@245.85,259.925 246.553,259.925 246.848,260.22 248.262,260.22 248.292,260.25 251.416,260.25 255.716,255.95 343.8,255.95 ; R41.1@343.8,258.45 343.8,255.95 ; RL41.3@349.1,258.3 346.75,255.95 343.8,255.95
CONTROL_11: R42.1 RL42.3 U1.18 | length 133.8
  Bottom Layer w0.2: U1.18@245.85,259.275 246.547,259.275 246.876,259.604 248.212,259.604 248.458,259.85 251.25,259.85 255.55,255.55 368.9,255.55 ; R42.1@368.8,257.95 368.8,255.65 368.9,255.55 ; RL42.3@374.1,258.3 371.35,255.55 368.9,255.55
CONTROL_12: R7.1 RL7.3 U1.19 | length 172
  Top Layer w0.2: RL7.3@99.1,242.8 99.1,245.354 97.127,247.327 97.127,248.473 98.554,249.9 101,252.346 101,254.3 v2(100.8,254.5) ; v2(235,254.799) 235.424,254.799 236.924,256.3 237.374,256.75 238.35,256.75 241.5,259.9 241.5,260.143 242.357,261 244.999,261 247.2,258.799 247.25,258.85 v2(247.25,258.904)
  Bottom Layer w0.2: R7.1@93.9,243.55 98.35,243.55 RL7.3@99.1,242.8 ; v2(100.8,254.5) 100.85,254.55 126.55,254.55 126.95,254.95 213.701,254.95 213.951,254.7 214.449,254.7 214.649,254.9 222.48,254.9 222.68,254.7 231.942,254.7 232.192,254.95 234.849,254.95 v2(235,254.799) ; U1.19@245.85,258.625 247.025,258.625 247.25,258.85 v2(247.25,258.904)
CONTROL_13: R8.1 RL8.3 U1.20 | length 149.4
  Top Layer w0.2: RL8.3@124.1,242.8 124.1,245.354 122.127,247.327 122.127,248.473 125.9,252.246 125.9,253.3 v2(126,253.399) ; v2(234.9,253.7) 234.9,253.71 237.54,256.35 238.516,256.35 241.9,259.734 241.9,259.978 242.522,260.6 244.833,260.6 246.55,258.883 246.55,258.614 247.25,257.914 v2(247.25,257.799)
  Bottom Layer w0.2: R8.1@118.8,243.75 123.15,243.75 RL8.3@124.1,242.8 ; v2(126,253.399) 127.15,254.55 213.536,254.55 213.786,254.3 214.614,254.3 214.814,254.5 218.75,254.5 221.8,251.45 224.742,251.45 227.592,254.3 232.108,254.3 232.358,254.55 234.05,254.55 v2(234.9,253.7) ; U1.20@245.85,257.975 247.074,257.975 v2(247.25,257.799)
CONTROL_14: R9.1 RL9.3 U1.21 | length 114.1
  Top Layer w0.2: v2(242.5,249.1) 242.5,249.5 244.4,251.4 244.4,253.603 247.72,256.923 v2(247.8,256.923)
  Bottom Layer w0.2: R9.1@143.8,243.75 148.15,243.75 RL9.3@149.1,242.8 151.4,245.1 175.834,245.1 176.834,246.1 228.303,246.1 231.403,249.2 238.571,249.2 238.771,249 240.479,249 240.529,249.05 242.45,249.05 v2(242.5,249.1) ; U1.21@245.85,257.325 246.735,257.325 247.16,256.899 247.8,256.899 v2(247.8,256.923) v2@247.788,256.923
CONTROL_15: R10.1 RL10.3 U1.22 | length 91.6
  Top Layer w0.2: v2(243.5,249.019) 243.5,249.5 244.8,250.8 244.8,253.438 247.586,256.223 v2(248.6,256.223)
  Bottom Layer w0.2: R10.1@168.8,244.35 172.55,244.35 RL10.3@174.1,242.8 177,245.7 228.469,245.7 231.569,248.8 238.406,248.8 238.606,248.6 240.645,248.6 240.695,248.65 241.959,248.65 242.21,248.4 242.789,248.4 243.2,248.81 243.2,249 243.5,249.3 v2(243.5,249.019) ; U1.22@245.85,256.675 246.725,256.675 247.177,256.223 v2(248.6,256.223)
CONTROL_16: R11.1 RL11.3 U2.7 | length 61.7
  Bottom Layer w0.2: R11.1@196.55,244.5 197.4,244.5 RL11.3@199.1,242.8 201.6,245.3 228.634,245.3 231.734,248.4 238.24,248.4 238.44,248.2 239.045,248.2 240.695,246.55 241.799,246.55 242.186,246.937 242.849,246.937 243.235,246.55 244.105,246.55 244.212,246.657 247.332,246.657 247.489,246.5 247.589,246.5 248.1,245.989 248.1,244.051 247.9,243.851 247.9,243.792 247.55,243.442 247.55,243.35 246.8,242.6 246.8,242.178 246.522,241.9 245.825,241.9 U2.7@245.65,241.725
CONTROL_17: R12.1 RL12.3 U2.8 | length 41.1
  Top Layer w0.2: v2(247.4,245.7) 247.3,245.8 247.2,245.8 247.7,245.3 248.793,245.3 250.65,243.442 250.65,242.158 249.742,241.25 248.458,241.25 248.138,241.57 247.904,241.57
  Bottom Layer w0.2: R12.1@221.85,244.2 222.7,244.2 RL12.3@224.1,242.8 226.2,244.9 228.8,244.9 231.9,248 236.674,248 236.8,247.874 236.926,248 238.074,248 238.274,247.8 238.879,247.8 240.529,246.15 241.965,246.15 242.351,246.537 242.683,246.537 243.069,246.15 244.271,246.15 244.377,246.257 246.443,246.257 247,245.7 v2(247.4,245.7) ; U2.8@245.65,241.075 246.665,241.075 247.34,241.75 v2(247.5,241.75)
CONTROL_18: R43.1 RL43.3 U2.9 | length 10.9
  Bottom Layer w0.2: U2.9@245.85,240.425 247.005,240.425 247.63,241.05 247.789,241.05 249.1,242.361 RL43.3@249.1,242.8 248.3,243.601 248.3,243.685 248.5,243.885 248.5,246.155 247.755,246.9 247.655,246.9 246.75,247.805 R43.1@246.75,248
CONTROL_19: R44.1 RL44.3 U2.10 | length 34.6
  Bottom Layer w0.2: U2.10@245.85,239.775 246.92,239.775 247.795,240.65 253.092,240.65 257.192,244.75 267.4,244.75 R44.1@268.8,243.35 268.8,240.8 268.7,240.7 272,240.7 RL44.3@274.1,242.8
CONTROL_20: R45.1 RL45.3 U2.11 | length 60.8
  Bottom Layer w0.2: U2.11@245.85,239.125 246.836,239.125 247.961,240.25 253.258,240.25 257.358,244.35 264.4,244.35 268.5,240.25 293.75,240.25 293.8,240.3 ; R45.1@293.8,242.95 293.8,240.3 ; RL45.3@299.1,242.8 296.6,240.3 293.8,240.3
CONTROL_21: R46.1 RL46.3 U2.12 | length 83.4
  Bottom Layer w0.2: U2.12@245.85,238.475 246.752,238.475 248.127,239.85 253.569,239.85 254.933,241.214 263.106,241.214 264.47,239.85 318.75,239.85 318.8,239.9 ; R46.1@318.8,242.15 318.8,239.9 ; RL46.3@324.1,242.8 321.2,239.9 318.8,239.9
CONTROL_22: R47.1 RL47.3 U2.13 | length 108.9
  Bottom Layer w0.2: U2.13@245.85,237.825 246.667,237.825 248.292,239.45 253.735,239.45 255.099,240.814 262.941,240.814 264.305,239.45 343.75,239.45 343.8,239.5 ; R47.1@343.8,241.95 343.8,239.5 ; RL47.3@349.1,242.8 345.8,239.5 343.8,239.5
CONTROL_23: R48.1 RL48.3 U2.14 | length 135.1
  Bottom Layer w0.2: U2.14@245.85,237.175 246.583,237.175 248.458,239.05 253.9,239.05 255.264,240.414 262.775,240.414 264.139,239.05 369.15,239.05 369.2,239.1 ; R48.1@368.8,242.35 368.8,239.5 369.2,239.1 ; RL48.3@374.1,242.8 370.4,239.1 369.2,239.1
CONTROL_24: R13.1 RL13.3 U2.15 | length 165.8
  Top Layer w0.2: v2(97.3,236.6) 97.3,229.1 RL13.3@99.1,227.3
  Bottom Layer w0.2: R13.1@93.8,228.45 97.95,228.45 RL13.3@99.1,227.3 ; v2(97.3,236.6) 97.3,237.9 98.6,239.2 171.078,239.2 171.178,239.1 172.421,239.1 172.521,239.2 219.946,239.2 220.446,238.7 221.992,238.7 222.55,238.142 222.55,236.858 223.458,235.95 225.25,235.95 228.5,239.2 233.492,239.2 235.25,237.442 235.25,236.858 236.158,235.95 237.442,235.95 238.667,237.175 U2.15@239.75,237.175
CONTROL_25: R14.1 RL14.3 U2.16 | length 138.7
  Top Layer w0.2: v2(121.8,239.9) 121.8,229.6 RL14.3@124.1,227.3
  Bottom Layer w0.2: R14.1@118.8,228.55 122.85,228.55 RL14.3@124.1,227.3 ; v2(121.8,239.9) 122.1,239.6 171.244,239.6 171.344,239.5 172.255,239.5 172.356,239.6 220.112,239.6 220.612,239.1 227.835,239.1 228.334,239.6 231.2,239.6 234.98,239.6 235.33,239.25 237.242,239.25 238.667,237.825 U2.16@239.75,237.825
CONTROL_26: R15.1 RL15.3 U2.17 | length 113.9
  Top Layer w0.2: v2(146.7,240.3) 146.7,229.7 RL15.3@149.1,227.3
  Bottom Layer w0.2: R15.1@143.9,228.25 148.15,228.25 RL15.3@149.1,227.3 ; v2(146.7,240.3) 147,240 171.409,240 171.51,239.9 172.09,239.9 172.19,240 220.278,240 220.778,239.5 227.669,239.5 228.169,240 235.145,240 235.495,239.65 237.408,239.65 238.583,238.475 U2.17@239.75,238.475